# Altium PCB Quad FC 10.7-final.PcbDoc (continued)
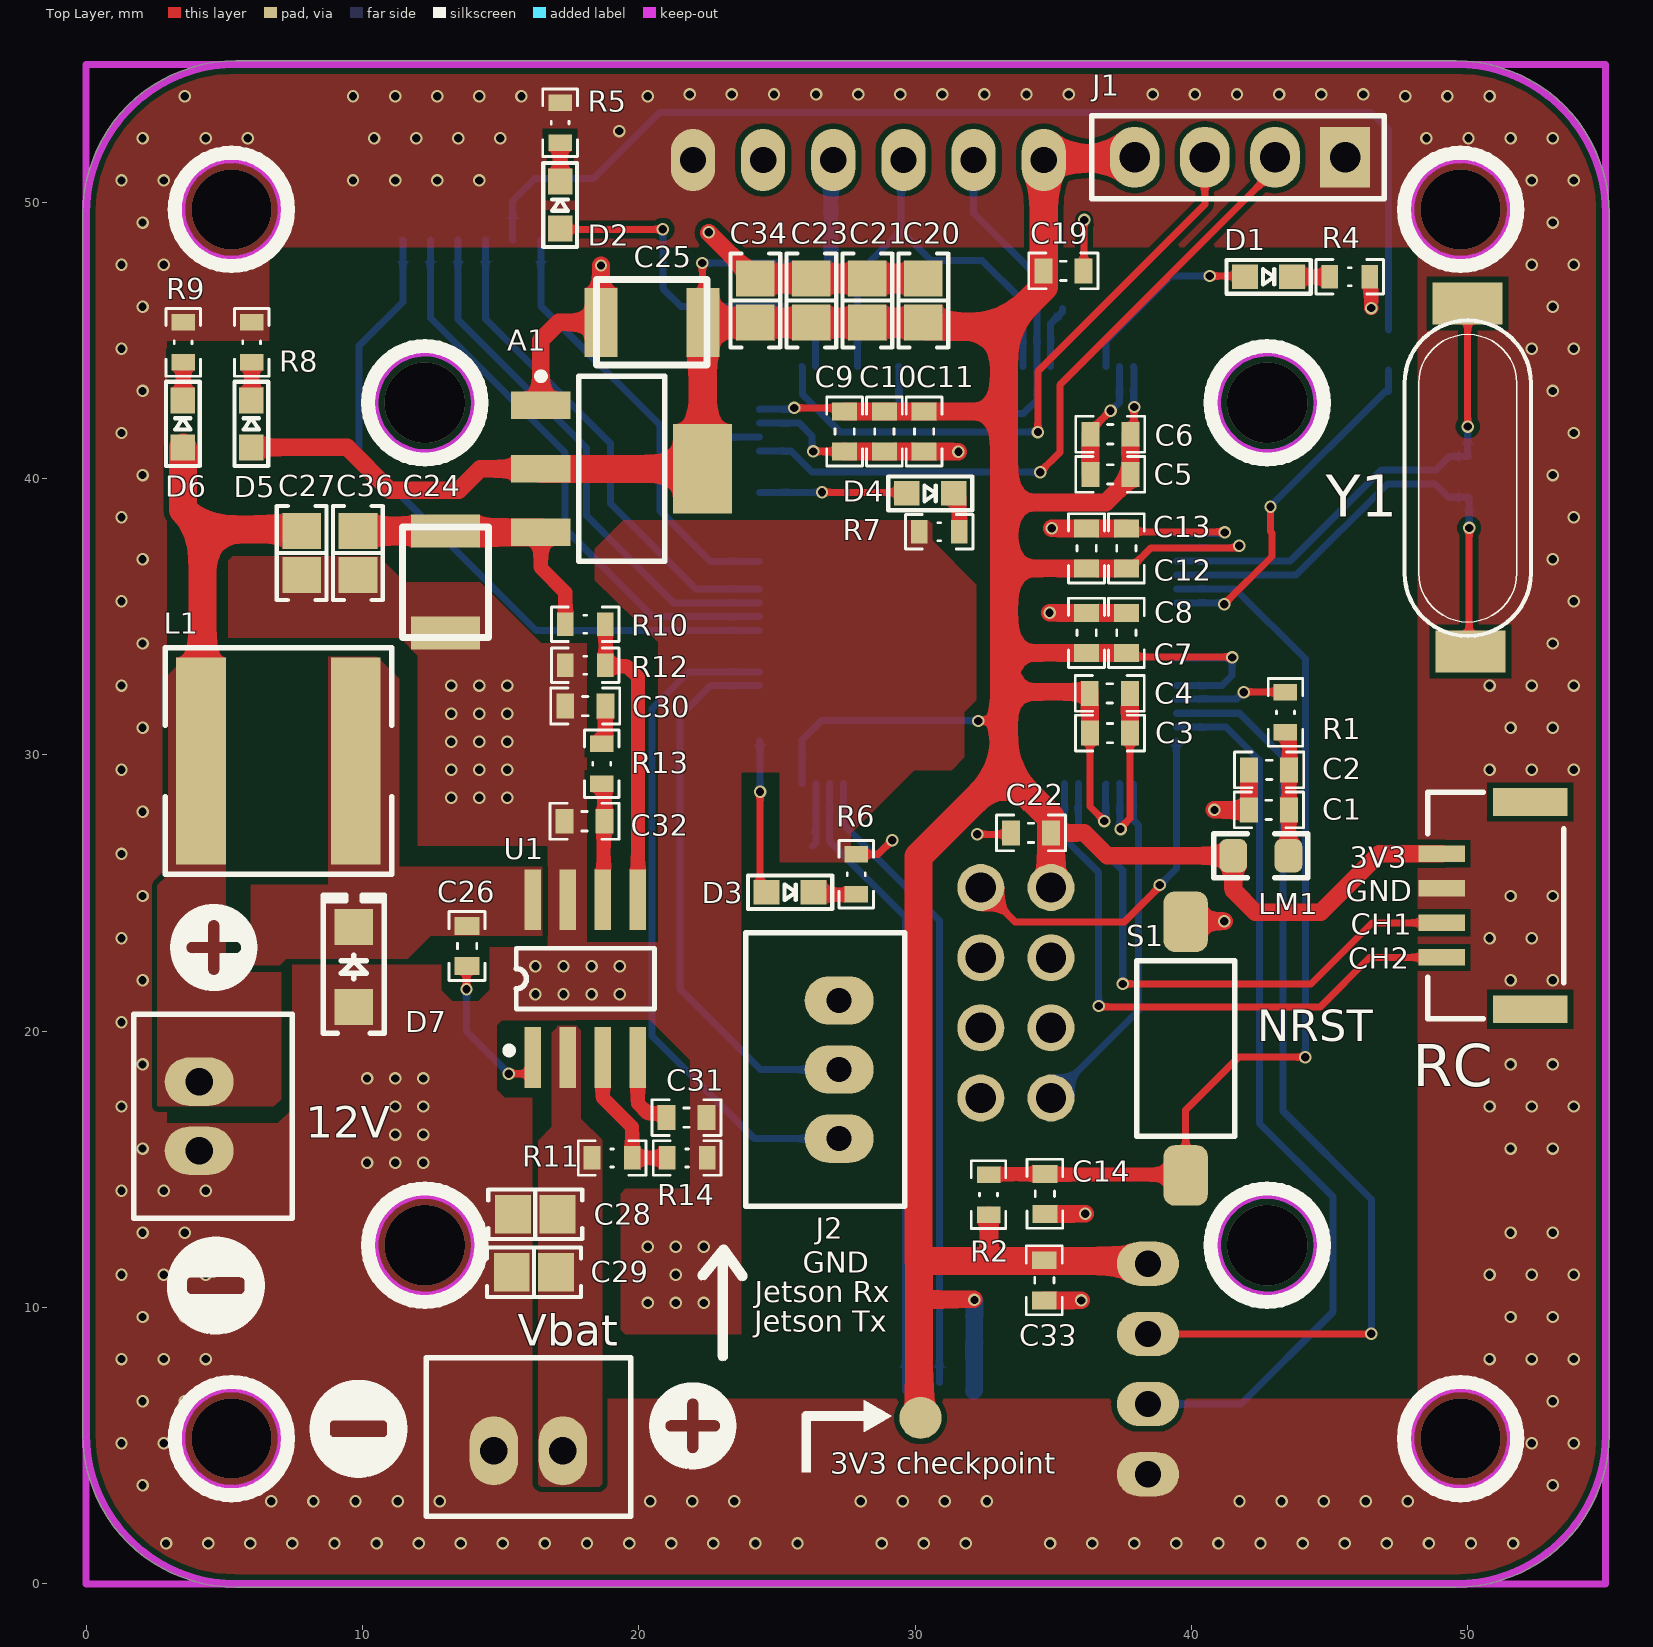
[diagram p0: Top Layer view]
## Footprints (in the part's own frame and the unit in brackets; to place one, negate y for a bottom-side part, rotate by r counter-clockwise, add the part's x,y. Pads: shape width x height; smd on the part's side, far side on the other; paste and mask are expansions set on the pad) (continued)
  rect 2.15x1 smd: 1(-2.925,2.3) 2(-2.925,0) 3(-2.925,-2.3)
  rect 2.15x3.25 smd: 4(2.925,0)
  silkscreen extent -3.05,-3.35 1.55,3.47, body extent -1.85,-3.35 1.85,3.35, height 1.8
STM-LQFP100_N [mm] "Thin QFP, 100-Leads, Body 14x14mm, Pitch 0.5mm, IPC Medium Density"
  oval 1.8x0.3 smd: 1(-7.55,6) 2(-7.55,5.5) 3(-7.55,5) 4(-7.55,4.5) 5(-7.55,4) 6(-7.55,3.5) 7(-7.55,3) 8(-7.55,2.5) 9(-7.55,2) 10(-7.55,1.5) 11(-7.55,1) 12(-7.55,0.5) 13(-7.55,0) 14(-7.55,-0.5) 15(-7.55,-1) 16(-7.55,-1.5) 17(-7.55,-2) 18(-7.55,-2.5) 19(-7.55,-3) 20(-7.55,-3.5) 21(-7.55,-4) 22(-7.55,-4.5) 23(-7.55,-5) 24(-7.55,-5.5) 25(-7.55,-6) 51(7.55,-6) 52(7.55,-5.5) 53(7.55,-5) 54(7.55,-4.5) 55(7.55,-4) 56(7.55,-3.5) 57(7.55,-3) 58(7.55,-2.5) 59(7.55,-2) 60(7.55,-1.5) 61(7.55,-1) 62(7.55,-0.5) 63(7.55,0) 64(7.55,0.5) 65(7.55,1) 66(7.55,1.5) 67(7.55,2) 68(7.55,2.5) 69(7.55,3) 70(7.55,3.5) 71(7.55,4) 72(7.55,4.5) 73(7.55,5) 74(7.55,5.5) 75(7.55,6)
  oval 0.3x1.8 smd: 26(-6,-7.55) 27(-5.5,-7.55) 28(-5,-7.55) 29(-4.5,-7.55) 30(-4,-7.55) 31(-3.5,-7.55) 32(-3,-7.55) 33(-2.5,-7.55) 34(-2,-7.55) 35(-1.5,-7.55) 36(-1,-7.55) 37(-0.5,-7.55) 38(0,-7.55) 39(0.5,-7.55) 40(1,-7.55) 41(1.5,-7.55) 42(2,-7.55) 43(2.5,-7.55) 44(3,-7.55) 45(3.5,-7.55) 46(4,-7.55) 47(4.5,-7.55) 48(5,-7.55) 49(5.5,-7.55) 50(6,-7.55) 76(6,7.55) 77(5.5,7.55) 78(5,7.55) 79(4.5,7.55) 80(4,7.55) 81(3.5,7.55) 82(3,7.55) 83(2.5,7.55) 84(2,7.55) 85(1.5,7.55) 86(1,7.55) 87(0.5,7.55) 88(0,7.55) 89(-0.5,7.55) 90(-1,7.55) 91(-1.5,7.55) 92(-2,7.55) 93(-2.5,7.55) 94(-3,7.55) 95(-3.5,7.55) 96(-4,7.55) 97(-4.5,7.55) 98(-5,7.55) 99(-5.5,7.55) 100(-6,7.55)
  silkscreen extent -7.68,-6.25 6.25,6.82, body extent -7,-7 7,7, height 1.6
"TAIYO YUDEN NRS8030" [mm] "Precision Wire Wound Inductor, 2-Leads, Body 8.00x8.00mm, IPC Medium Density"
  rect 1.8x7.5 smd: 1(-2.8,0) 2(2.8,0)
  silkscreen extent -4.1,-4.1 4.1,4.1, body extent -4,-4 4,4, height 3
"TE FSMSMTR" [mm]
  rrect50% 1.6x2.19 smd: 1(0,4.595) 2(0,-4.595)
  silkscreen extent -1.78,-3.18 1.78,3.18, body extent -1.75,-4.98 1.75,4.98, height 4.42

## Part data
12V Vbat: library part B2B-XH-A(LF)(SN), "CONN HEADER VERT 2POS 2.5MM", Current Rating (Amps)=3A, Insulation Color=Natural, Manufacturer="JST Sales America Inc.", Material Flammability Rating="UL94 V-0", Operating Temperature="-25°C ~ 85°C", Supplier Part Number 1=455-2247-ND, Voltage Rating=250V, ComponentLink1Description=Datasheet, ComponentLink1URL=http://www.jst-mfg.com/product/pdf/eng/eXH.pdf, ComponentLink2Description="DigiKey Link", ComponentLink2URL=http://digikey.com/product-detail/en/jst-sales-america-inc/B2B-XH-A-LF-SN/455-2247-ND/1651045, Connector Type=Header, Contact Finish - Mating=Tin, Contact Finish - Post=Tin, Contact Length - Post="0.134\" (3.40mm)", Contact Material=Brass, Contact Shape=Square, Contact Type="Male Pin", Fastening Type="Detent Lock", Insulation Height="0.276\" (7.00mm)", Insulation Material="Polyamide (PA66), Nylon 6/6", LastUpdated="1/12/2020 11:46:08 PM", Lifecycle Status=Active, Minimum Order=1, Mounting Type="Through Hole", Number of Positions=2, Number of Positions Loaded=All, Number of Rows=1, Packaging=Bulk, Part Number=B2B-XH-A(LF)(SN), Part Status=Active, partid=67, Pitch - Mating="0.098\" (2.50mm)", Price=0.15, Series=XH, Shrouding="Shrouded - 4 Wall", Style="Board to Cable/Wire", Supplier 1=DigiKey, Termination="Press-Fit, Solder"
A1: library part ams1117
C1 C2 C3 C4 C5 C6 C7 C8 C9 C10 C11 C12 C13 C14 C15 C16 C17 C18 C19 C22 C26 C30 C31 C32 C33 C35: library part "CAP SMD PACKAGE", "F407VET6 Power CAP", Data=2017-3-10, Desc.="CAP SMD TOTAL PACKAGES", Designer="Abbas Basereh"
C20: library part MM05ZC105KCZ2A, "CAP CER 1UF 10V X7R 0805", Device Package="0805 (2012 Metric)", Manufacturer="AVX Corporation", Operating Temperature="-55°C ~ 125°C", Supplier Part Number 1=478-10611-1-ND, Temperature Coefficient=X7R, Tolerance=±10%, Voltage - Rated=10V, Applications="Medical, Non-Critical", Capacitance=1µF, ComponentLink1Description=Datasheet, ComponentLink1URL=http://datasheets.avx.com/AVX-MM.pdf, ComponentLink2Description="DigiKey Link", ComponentLink2URL=http://digikey.com/product-detail/en/avx-corporation/MM05ZC105KCZ2A/478-10611-1-ND/7344872, LastUpdated="9/2/2020 1:04:42 AM", Lifecycle Status=Active, Minimum Order=1, Mounting Type="Surface Mount, MLCC", Package / Case="0805 (2012 Metric)", Packaging=TapeAndReel, Part Number=MM05ZC105KCZ2A, Part Status=Active, partid=2439, Price=0.50, Series=MM, Size / Dimension="0.079\" L x 0.049\" W (2.01mm x 1.25mm)", Supplier 1=DigiKey, Thickness (Max)="0.029\" (0.74mm)"
C21 C23 C34: library part CC0805MRX7R9BB104, "CAP CER 0.1UF 50V X7R 0805", Device Package="0805 (2012 Metric)", Manufacturer=Yageo, Operating Temperature="-55°C ~ 125°C", Supplier Part Number 1=311-4351-1-ND, Temperature Coefficient=X7R, Tolerance=±20%, Voltage - Rated=50V, Applications="General Purpose", Capacitance="0.1 µF", ComponentLink1Description=Datasheet, ComponentLink1URL=https://www.yageo.com/upload/media/product/productsearch/datasheet/mlcc/UPY-GPHC_X7R_6.3V-to-50V_18.pdf, ComponentLink2Description="DigiKey Link", ComponentLink2URL=https://www.digikey.com/en/products/detail/yageo/CC0805MRX7R9BB104/5884281, LastUpdated="2/9/2024 8:16:09 PM", Lifecycle Status=Active, Minimum Order=1, Mounting Type="Surface Mount, MLCC", Package / Case="0805 (2012 Metric)", Packaging=TapeAndReel, Part Number=CC0805MRX7R9BB104, Part Status=Active, partid=2475, Price=0.01, Series=CC, Size / Dimension="0.079\" L x 0.049\" W (2.00mm x 1.25mm)", Supplier 1=DigiKey, Thickness (Max)="0.037\" (0.95mm)"
C24 C25: library part CAP_TANTAL_B, "3.5X2.8MM"
C27 C36: library part GRM21BR61H106KE43K, "CAP CER 10UF 50V X5R 0805", Capacitance="10 µF", Device Package="0805 (2012 Metric)", Manufacturer="Murata Electronics", Operating Temperature="-55°C ~ 85°C", Supplier Part Number 1=490-GRM21BR61H106KE43KCT-ND, Temperature Coefficient=X5R, Tolerance=±10%, Voltage - Rated=50V, Applications="General Purpose", ComponentLink1Description=Datasheet, ComponentLink1URL=https://search.murata.co.jp/Ceramy/image/img/A01X/G101/ENG/GRM21BR61H106KE43-01A.pdf, ComponentLink2Description="DigiKey Link", ComponentLink2URL=https://www.digikey.com/en/products/detail/murata-electronics/GRM21BR61H106KE43K/15191954, LastUpdated="2/9/2024 8:15:01 PM", Lifecycle Status=Active, Minimum Order=1, Mounting Type="Surface Mount, MLCC", Package / Case="0805 (2012 Metric)", Packaging=TapeAndReel, Part Number=GRM21BR61H106KE43K, Part Status=Active, partid=40508, Price=0.05, Series=GRM, Size / Dimension="0.079\" L x 0.049\" W (2.00mm x 1.25mm)", Supplier 1=DigiKey, Thickness (Max)="0.057\" (1.45mm)"
C28 C29: library part GRM21BR61H106KE43K, "CAP CER 10UF 50V X5R 0805", Device Package="0805 (2012 Metric)", Manufacturer="Murata Electronics", Operating Temperature="-55°C ~ 85°C", Supplier Part Number 1=490-GRM21BR61H106KE43KCT-ND, Temperature Coefficient=X5R, Tolerance=±10%, Voltage - Rated=50V, Applications="General Purpose", Capacitance="10 µF", ComponentLink1Description=Datasheet, ComponentLink1URL=https://search.murata.co.jp/Ceramy/image/img/A01X/G101/ENG/GRM21BR61H106KE43-01A.pdf, ComponentLink2Description="DigiKey Link", ComponentLink2URL=https://www.digikey.com/en/products/detail/murata-electronics/GRM21BR61H106KE43K/15191954, LastUpdated="2/9/2024 8:15:01 PM", Lifecycle Status=Active, Minimum Order=1, Mounting Type="Surface Mount, MLCC", Package / Case="0805 (2012 Metric)", Packaging=TapeAndReel, Part Number=GRM21BR61H106KE43K, Part Status=Active, partid=40508, Price=0.05, Series=GRM, Size / Dimension="0.079\" L x 0.049\" W (2.00mm x 1.25mm)", Supplier 1=DigiKey, Thickness (Max)="0.057\" (1.45mm)"
CMPS12: library part SSW-106-03-T-S, "CONN RCPT 6POS 0.1 TIN PCB", Current Rating (Amps)="5.7A per Contact", Insulation Color=Black, Manufacturer="Samtec Inc.", Material Flammability Rating="UL94 V-0", Operating Temperature="-55°C ~ 105°C", Supplier Part Number 1=SAM8865-ND, ComponentLink1Description=Datasheet, ComponentLink1URL=http://suddendocs.samtec.com/prints/ssw-s.pdf, ComponentLink2Description="DigiKey Link", ComponentLink2URL=https://www.digikey.com/en/products/detail/samtec-inc/SSW-106-03-T-S/1790202, Connector Type=Receptacle, Contact Finish - Mating=Tin, Contact Finish - Post=Tin, Contact Length - Post="0.394\" (10.00mm)", Contact Type=Forked, Fastening Type=Push-Pull, Insulation Height="0.335\" (8.51mm)", LastUpdated="6/21/2022 3:09:22 PM", Lifecycle Status=Active, Minimum Order=1, Mounting Type="Through Hole", Number of Positions=6, Number of Positions Loaded=All, Number of Rows=1, Packaging=Bulk, Part Number=SSW-106-03-T-S, Part Status=Active, Pitch - Mating="0.100\" (2.54mm)", Price=0.55, Series=SSW, Style="Board to Board or Cable", Supplier 1=DigiKey, Termination=Solder
D1 D2 D3 D4 D5 D6: "Led", LatestRevisionDate=08-Jul-2005, LatestRevisionNote="Mech Layer 1 removed.", PackageReference=LED-0, Published=8-Jun-2000, Publisher="Altium Limited"
D7: "DIODE SCHOTTKY 40V 3A SUB SMA", Current - Average Rectified (Io)=3A, Current - Reverse Leakage @ Vr="500 µA @ 40 V", Manufacturer="Taiwan Semiconductor Corporation", Operating Temperature - Junction="-55°C ~ 150°C", Package / Case=DO-219AB, Supplier Device Package="Sub SMA", Supplier Part Number 1=SS34LRVGCT-ND, Voltage - DC Reverse (Vr) (Max)="40 V", Voltage - Forward (Vf) (Max) @ If="500 mV @ 3 A", ComponentLink1Description=Datasheet, ComponentLink1URL=https://www.taiwansemi.com/products/datasheet/SS34L%20SERIES_B14.pdf, ComponentLink2Description="DigiKey Link", ComponentLink2URL=https://www.digikey.com/en/products/detail/taiwan-semiconductor-corporation/SS34L-RVG/7359609, Diode Type=Schottky, LastUpdated="2/8/2024 9:37:23 PM", Lifecycle Status=Active, Minimum Order=1, Mounting Type="Surface Mount", Packaging=TapeAndReel, Part Number="SS34L RVG", Part Status=Active, partid=1293, Price=0.13, Series=-, Speed="Fast Recovery =< 500ns, > 200mA (Io)", Supplier 1=DigiKey
ESC: library part SM08B-SRSS-TB(LF)(SN), "CONN HEADER SMD R/A 8POS 1MM", Current Rating (Amps)=0.7A, Insulation Color=Natural, Manufacturer="JST Sales America Inc.", Material Flammability Rating="UL94 V-0", Operating Temperature="-25°C ~ 85°C", Supplier Part Number 1=455-1808-1-ND, Voltage Rating=50V, ComponentLink1Description=Datasheet, ComponentLink1URL=http://www.jst-mfg.com/product/pdf/eng/eSH.pdf, ComponentLink2Description="DigiKey Link", ComponentLink2URL=http://digikey.com/product-detail/en/jst-sales-america-inc/SM08B-SRSS-TB-LF-SN/455-1808-1-ND/926879, Connector Type=Header, Contact Finish - Mating=Tin, Contact Finish - Post=Tin, Contact Material="Copper Alloy", Contact Shape=Square, Contact Type="Male Pin", Fastening Type=Push-Pull, Features="Solder Retention", Insulation Height="0.114\" (2.90mm)", Insulation Material="Polyamide (PA), Nylon", LastUpdated="1/12/2020 11:42:39 PM", Lifecycle Status=Active, Minimum Order=1, Mounting Type="Surface Mount, Right Angle", Number of Positions=8, Number of Positions Loaded=All, Number of Rows=1, Packaging=TapeAndReel, Part Number=SM08B-SRSS-TB(LF)(SN), Part Status=Active, partid=66, Pitch - Mating="0.039\" (1.00mm)", Price=0.41, Series=SR, Shrouding="Shrouded - 4 Wall", Style="Board to Cable/Wire", Supplier 1=DigiKey, Termination=Solder
ESP82: library part M20-7830442, "CONN RCPT 8POS 0.1 GOLD PCB", Current Rating (Amps)=3A, Insulation Color=Black, Manufacturer="Harwin Inc.", Material Flammability Rating="UL94 V-0", Operating Temperature="-40°C ~ 105°C", Supplier Part Number 1=952-1789-ND, ComponentLink1Description=Datasheet, ComponentLink1URL=https://cdn.harwin.com/pdfs/C001XX_M20_Series_Connectors.pdf, ComponentLink2Description="DigiKey Link", ComponentLink2URL=http://digikey.com/product-detail/en/harwin-inc/M20-7830442/952-1789-ND/3727758, Connector Type=Receptacle, Contact Finish - Mating=Gold, Contact Finish - Post=Tin, Contact Finish Thickness - Mating=Flash, Contact Length - Post="0.118\" (3.00mm)", Contact Type="Female Socket", Fastening Type=Push-Pull, Insulation Height="0.335\" (8.51mm)", LastUpdated="9/21/2022 7:04:26 PM", Lifecycle Status=Active, Mated Stacking Heights="11.04mm, 12.63mm", Minimum Order=1, Mounting Type="Through Hole", Number of Positions=8, Number of Positions Loaded=All, Number of Rows=2, Packaging=Tube, Part Number=M20-7830442, Part Status=Active, Pitch - Mating="0.100\" (2.54mm)", Price=1.36, Row Spacing - Mating="0.100\" (2.54mm)", Series=M20, Style="Board to Board or Cable", Supplier 1=DigiKey, Termination=Solder
F4: "ARM Cortex-M4 32-bit MCU+FPU, 210 DMIPS, 1024 kB Flash, 192 kB Internal RAM, 82 I/Os, 100-pin LQFP, -40 to 85 degC, Tray", I/Os (High Current)=82, Manufacturer=STMicroelectronics, Operating Frequency(F) (Processor speed) (MHz)=168, Supplier Part Number 1=497-11605-ND, Supply Voltage(Vcc) max (V)=3.6, Supply Voltage(Vcc) min (V)=1.8, ComponentLink1Description="Manufacturer URL", ComponentLink1URL=http://www.st.com/web/en/home.html, ComponentLink2Description=Datasheet, ComponentLink2URL=http://www.st.com/st-web-ui/static/active/en/resource/technical/document/datasheet/DM00037051.pdf, ComponentLink3Description="Package Specification", ComponentLink3URL=http://www.st.com/st-web-ui/static/active/en/resource/technical/document/data_brief/DM00071938.pdf, Core="ARM Cortex-M4", D/A Converter=2x12-bit, DatasheetVersion="Rev. 4", FLASH Size (Prog) (kB)=1024, Internal RAM Size (kB)=192, Mounting Technology="Surface Mount", PackageDescription="100-Pin Low Profile Quad Flat Package, 14 x 14 mm Body, 0.5 mm Pitch", PackageReference=LQFP100, PackageVersion="Rev. 1, 06/2013", Packing=Tray, PartNumber=STM32F407VGT6, Supplier 1=Digi-Key, Supplier 2=Farnell, Supplier 3=Newark, Supplier 4=Mouser, Supplier Part Number 2=2064368, Supplier Part Number 3=73T2333, Supplier Part Number 4=511-STM32F407VGT6
GY25: library part SSW-104-03-T-S, "CONN RCPT 4POS 0.1 TIN PCB", Current Rating (Amps)="5.7A per Contact", Insulation Color=Black, Manufacturer="Samtec Inc.", Material Flammability Rating="UL94 V-0", Operating Temperature="-55°C ~ 105°C", Supplier Part Number 1=SSW-104-03-T-S-ND, ComponentLink2Description="DigiKey Link", ComponentLink2URL=http://digikey.com/product-detail/en/samtec-inc/SSW-104-03-T-S/SSW-104-03-T-S-ND/7874034, Connector Type=Receptacle, Contact Finish - Mating=Tin, Contact Finish - Post=Tin, Contact Type=Forked, Fastening Type=Push-Pull, LastUpdated="6/21/2022 3:08:52 PM", Lifecycle Status=Active, Minimum Order=1, Mounting Type="Through Hole", Number of Positions=4, Number of Positions Loaded=All, Number of Rows=1, Packaging=Bulk, Part Number=SSW-104-03-T-S, Part Status=Active, Price=0.83, Series=SSW, Style="Board to Board or Cable", Supplier 1=DigiKey, Termination=Solder
J1: library part Header4X1
J2: library part B3B-XH-A(LF)(SN), "CONN HEADER VERT 3POS 2.5MM", Current Rating (Amps)=3A, Insulation Color=Natural, Manufacturer="JST Sales America Inc.", Material Flammability Rating="UL94 V-0", Operating Temperature="-25°C ~ 85°C", Supplier Part Number 1=455-2248-ND, Voltage Rating=250V, ComponentLink1Description=Datasheet, ComponentLink1URL=http://www.jst-mfg.com/product/pdf/eng/eXH.pdf, ComponentLink2Description="DigiKey Link", ComponentLink2URL=http://digikey.com/product-detail/en/jst-sales-america-inc/B3B-XH-A-LF-SN/455-2248-ND/1651046, Connector Type=Header, Contact Finish - Mating=Tin, Contact Finish - Post=Tin, Contact Length - Post="0.134\" (3.40mm)", Contact Material=Brass, Contact Shape=Square, Contact Type="Male Pin", Fastening Type="Detent Lock", Insulation Height="0.276\" (7.00mm)", Insulation Material="Polyamide (PA66), Nylon 6/6", LastUpdated="1/12/2020 11:46:22 PM", Lifecycle Status=Active, Minimum Order=1, Mounting Type="Through Hole", Number of Positions=3, Number of Positions Loaded=All, Number of Rows=1, Packaging=Bulk, Part Number=B3B-XH-A(LF)(SN), Part Status=Active, partid=68, Pitch - Mating="0.098\" (2.50mm)", Price=0.19, Series=XH, Shrouding="Shrouded - 4 Wall", Style="Board to Cable/Wire", Supplier 1=DigiKey, Termination="Press-Fit, Solder"
L1: library part NRS8030T100MJGJV, "FIXED IND 10UH 3A 42.9 MOHM SMD", Current - Saturation=2.4A, Current Rating (Amps)="3 A", DC Resistance (DCR)="42.9mOhm Max", Device Package=Nonstandard, Frequency - Self Resonant=27MHz, Inductance="10 µH", Inductance Frequency - Test="100 kHz", Manufacturer="Taiyo Yuden", Operating Temperature="-40°C ~ 125°C", Ratings=AEC-Q200, Supplier Part Number 1=587-3647-1-ND, Tolerance=±20%, ComponentLink1Description=Datasheet, ComponentLink1URL="https://ds.yuden.co.jp/TYCOMPAS/ut/detail?pn=NRS8030T100MJGJV  &u=M", ComponentLink2Description="DigiKey Link", ComponentLink2URL=https://www.digikey.com/en/products/detail/taiyo-yuden/NRS8030T100MJGJV/4693986, Height - Seated (Max)="0.118\" (3.00mm)", LastUpdated="2/8/2024 9:55:48 PM", Lifecycle Status=Active, Material - Core=Ferrite, Minimum Order=1, Mounting Type="Surface Mount", Package / Case=Nonstandard, Packaging=TapeAndReel, Part Number=NRS8030T100MJGJV, Part Status=Active, partid=5482, Price=0.23, Series="NR, S Type", Shielding=Shielded, Size / Dimension="0.315\" L x 0.315\" W (8.00mm x 8.00mm)", Supplier 1=DigiKey, Type="Drum Core, Wirewound"
LM1: library part "L SMA 0.25W", "Inductor", Code_IEC=1005, Code_JEITA=0402, LatestRevisionDate=29-May-2009, LatestRevisionNote="IPC-7351 Footprint Added.", PackageDescription="Chip Inductor", PackageReference=0402-A, Published=8-Jun-2000, Publisher="Altium Limited"
R1 R2 R3 R4 R5 R6 R7 R8 R9 R10 R11 R12 R13 R14 R15 R16 R17 R18: library part "RES SMD PACKAGE", "TOTAL SMD RESISTOR PACK", Data=2017-3-10, Desc.="RES SMD PAKAGES", Designer="Abbas Basereh"
RC VL53: library part SM04B-GHS-TB(LF)(SN)-, "CONN HEADER SMD R/A 4POS 1.25MM", Current Rating (Amps)=1A, Insulation Color=Natural, Manufacturer="JST Sales America Inc.", Material Flammability Rating="UL94 V-0", Operating Temperature="-25°C ~ 85°C", Supplier Part Number 1=455-1566-1-ND, Voltage Rating=50V, ComponentLink1Description=Datasheet, ComponentLink1URL=http://www.jst-mfg.com/product/pdf/eng/eGH.pdf, ComponentLink2Description="DigiKey Link", ComponentLink2URL=http://digikey.com/product-detail/en/jst-sales-america-inc/SM04B-GHS-TB-LF-SN/455-1566-1-ND/807834, Connector Type=Header, Contact Finish - Mating=Tin, Contact Finish - Post=Tin, Contact Material="Phosphor Bronze", Contact Shape=Rectangular, Contact Type="Outer Shroud Contact", Fastening Type="Locking Ramp", Features="Solder Retention", Insulation Height="0.167\" (4.25mm)", Insulation Material="Polyamide (PA9T), Nylon 9T", LastUpdated="1/12/2020 11:37:43 PM", Lifecycle Status=Active, Minimum Order=1, Mounting Type="Surface Mount, Right Angle", Number of Positions=4, Number of Positions Loaded=All, Number of Rows=1, Packaging=TapeAndReel, Part Number=SM04B-GHS-TB(LF)(SN)-, Part Status=Active, partid=55, Pitch - Mating="0.049\" (1.25mm)", Price=0.21, Series=GH, Shrouding="Shrouded - 4 Wall", Style="Board to Cable/Wire", Supplier 1=DigiKey, Termination=Solder
S1: "SWITCH TACTILE SPST-NO 0.05A 24V", Contact Rating @ Voltage="0.05A @ 24VDC", Manufacturer="TE Connectivity ALCOSWITCH Switches", Operating Force=180gf, Operating Temperature="-35°C ~ 85°C", Supplier Part Number 1=450-1758-1-ND, Actuator Height off PCB, Vertical=4.57mm, Actuator Orientation="Top Actuated", Actuator Type=Standard, Circuit=SPST-NO, ComponentLink1Description=Datasheet, ComponentLink1URL=https://www.te.com/commerce/DocumentDelivery/DDEController?Action=srchrtrv&DocNm=1437566-3&DocType=Customer+Drawing&DocLang=English, ComponentLink2Description="DigiKey Link", ComponentLink2URL=https://www.digikey.com/en/products/detail/te-connectivity-alcoswitch-switches/FSMSMTR/529671, Illumination=Non-Illuminated, LastUpdated="2/8/2024 9:49:52 PM", Lifecycle Status=Active, Minimum Order=1, Mounting Type="Surface Mount", Outline="6.00mm x 3.50mm", Packaging=TapeAndReel, Part Number=FSMSMTR, Part Status=Active, Price=0.20, Series=FSMSM, Supplier 1=DigiKey, Switch Function=Off-Mom, Termination Style="Gull Wing"
U1: "DC/DC Switching Regulators 2A,28V,1MHz Step Down SWIFT DC/D;Output Voltage:0.8 V to 25 V", Link=http://javanelec.com/productsDetails.aspx?id=33786
Y1: library part CRYSTAL_SMD, "Crystal"

## Free pads (board coordinates)
  round 1.524 smd: 2(30.2,6)

## Via types
v1: diameter 0.45, hole 0.3, Top Layer to Bottom Layer, 224 vias
v2: diameter 0.45, hole 0.3, Top Layer to Bottom Layer, tented both sides, 43 vias
v3: diameter 2.9, hole 2.9, Top Layer to Bottom Layer, 8 vias

## Nets (pads, with @x,y where several pads share a name; then routed paths per layer and width w, separated by ;. In a path a pad name is that pad's centre, name@x,y a point inside that pad or via, vN(x,y) a via of type N, cw(c..) or ccw(c..) an arc to the next point about the centre after c; other vN are vias at no path point)
3V3: A1.2 A1.4 C3.2 C4.2 C5.2 C6.2 C7.1 C8.1 C9.2 C10.2 C11.2 C12.2 C13.2 C19.1 C20.2 C21.2 C22.1 C23.2 C25.+ C33.1 C34.2 C35.1 CMPS12.6 D5.1 ESP82.1 F4.11 F4.19 F4.21 F4.28 F4.50 F4.75 F4.100 GY25.4 J1.4 LM1.2 pad.2 R2.1 R15.2 RC.1 VL53.4 | length 188.1
  Top Layer w0.254: v2(22.3,47.81) 22.3,45.68 C25.+ ; v2(25.621,42.565) 27.32,42.565 C9.2 ; v2(32.29,31.23) 32.3,31.24 33.225,31.24 ; C3.2 36.33,28.13 v2(36.854,27.606) ; C7.1@37.65,33.575 37.675,33.55 41.46,33.55 v2(41.48,33.53) ; C12.2 37.848,36.953 37.993,36.953 38.54,37.5 41.528,37.5 41.564,37.536 41.702,37.536 v2(41.74,37.573) ; C6.2 37.932,41.747 v2(37.932,42.597) ; RC.1 49.46,26.42 RC.1@49.57,26.31
  Top Layer w0.635: D5.1 9.436,41.134 10.98,39.59 13.48,39.59 14.25,40.36 A1.2 ; C9.2 C10.2 C11.2 33.225,42.435 ; 30.15,10.29 v2@32.13,10.29 ; 32.04,11.68 32.15,11.57 ; 32.67,11.68 R2.1@32.67,13.337 ; 33.225,32.28 36.317,32.28 36.325,32.272 C4.2 ; 33.225,33.695 C8.1 C7.1 ; 33.225,36.755 C13.2 C12.2 ; 33.225,39.14 36.9,39.14 37.787,40.027 37.787,40.153 C5.2 C6.2 ; C22.1@34.917,27.186 C22.1@34.923,27.18 ; C22.1 36.13,27.18 36.96,26.35 LM1.2 41.52,25.11 42.32,24.31 44.69,24.31 46.8,26.42 RC.1 ; C3.2@36.327,30.793 C4.2@36.327,32.228
  Top Layer w1.016: A1.2 A1.4 22.313,40.368 22.313,45.652 C25.+ 22.325,45.655 24.215,45.655 C34.2 C23.2 C21.2 C20.2 30.442,45.508 33.225,45.508 ; pad.2@30.15,6.05 30.15,10.29 30.15,11.68 ; CMPS12.6 34.66,46.943 33.225,45.508 ; C33.1@34.68,11.68 38.33,11.68 GY25.4 ; C33.1 34.655,11.68 32.67,11.68 32.04,11.68 30.15,11.68 ; CMPS12.6@34.72,51.6 J1.4@37.91,51.6 ; C22.1@34.917,27.186 34.917,27.732 33.225,29.425 ; ESP82.1 C22.1@34.923,27.18 ; 30.15,11.68 30.12,11.68 30.12,26.32 33.225,29.425 ; 33.225,29.425 33.225,31.24 33.225,32.28 33.225,33.695 33.225,36.755 33.225,39.14 33.225,42.435 33.225,45.508
  Bottom Layer w0.254: v2(22.3,47.81) 25.445,47.81 R15.2 ; F4.75 24.369,42.519 25.522,42.519 25.568,42.565 v2(25.621,42.565) ; F4.50 25.91,30.54 26.61,31.24 32.28,31.24 v2(32.29,31.23) ; v2(36.854,27.606) 36.854,27.659 36.901,27.707 36.901,28.931 F4.28@36.919,28.949 ; F4.100 37.919,44.051 37.919,42.61 v2(37.932,42.597) ; F4.21 41.11,32.51 41.48,32.88 v2(41.48,33.53) 41.469,33.519 39.469,33.519 F4.19 ; F4.11@39.47,37.5 39.471,37.501 40.251,37.501 40.253,37.5 41.614,37.5 41.687,37.573 v2(41.74,37.573)
  Bottom Layer w0.635: VL53.4 32.137,6.998 32.137,9.192 C35.1 32.15,9.205 v2(32.15,10.27)
12V: 12V.2 A1.3 C24.+ C27.2 C36.2 D6.1 L1.2 R10.2 | length 25.5
  Top Layer w0.508: A1.3 16.455,36.765 17.335,35.885 R10.2
  Top Layer w1.016: D6.1@3.5,41.124 3.5,38.87 4.2,38.17 ; L1.2@4.2,29.83 4.2,38.17 ; C27.2 7.73,38.17 4.2,38.17 ; C36.2@9.83,38.105 C24.+ ; C24.+@13.045,38.06 A1.3
CMPS12_RX_SCL: CMPS12.4 F4.80 F4.92 | length 16.7
  Bottom Layer w0.254: F4.80 27.91,47.41 29.49,48.99 ; CMPS12.4@29.58,50.851 CMPS12.4 29.49,51.45 29.49,48.99 ; F4.92 33.901,44.069 33.901,46.429 32.43,47.9 30.58,47.9 29.49,48.99
CMPS12_TX_SDA: CMPS12.5 F4.83 F4.93 | length 16.2
  Bottom Layer w0.254: F4.83 29.419,44.051 29.419,42.841 29.89,42.37 33.93,42.37 34.41,42.85 F4.93 34.41,47.33 32.12,49.62 CMPS12.5
"Current control": F4.15 R17.1 R18.2 | length 12.8
  Top Layer w0.254: v2(41.19,35.455) 42.92,37.185 42.92,38.036 42.87,38.086 v2(42.87,38.99)
  Bottom Layer w0.254: F4.15 41.082,35.51 41.137,35.455 v2(41.19,35.455) ; v2(42.87,38.99) 42.87,39.01 47.025,43.165 R18.2 R17.1
"ESC ADC In": ESC.2 R17.2 | length 42
  Bottom Layer w0.254: ESC.2 15.43,48.668 15.43,50.06 16.24,50.87 18.36,50.87 20.75,53.26 46.51,53.26 47.15,52.62 R17.2
"ESC Rx": F4.63
"ESC Tx": ESC.1 F4.64 | length 15.9
  Bottom Layer w0.254: ESC.1 16.45,46.26 20.77,41.94 20.77,38.84 22.6,37.01 F4.64
"ESP82 Rx": ESP82.8 F4.25 | length 13
  Top Layer w0.254: ESP82.8 33.623,23.96 37.58,23.96 38.865,25.245 v2(38.865,25.292)
  Bottom Layer w0.254: v2(38.865,25.292) 39.46,25.887 F4.25
"ESP82 Tx": ESP82.4 F4.26 | length 12.8
  Bottom Layer w0.254: ESP82.4 38.09,20.747 38.09,27.465 37.9,27.655 F4.26@37.9,28.95
"F407 NRST": C14.1 F4.14 R2.2 S1.1 | length 34.8
  Top Layer w0.254: S1.1 39.8,17.14 41.72,19.06 v2(44.13,19.06)
  Top Layer w0.508: R2.2 32.675,14.82 34.685,14.82 C14.1 34.73,14.805 39.77,14.805 S1.1
  Bottom Layer w0.254: F4.14 41.59,36.01 44.13,33.47 v2(44.13,19.06)
"F407 SWCLK": F4.76 J1.3 | length 22.3
  Top Layer w0.254: v2(34.45,41.69) 34.45,43.89 40.49,49.93 40.49,50.726 J1.3@40.936,51.172
  Bottom Layer w0.254: F4.76 25.919,44.051 25.919,43.053 27.272,41.7 v2@34.44,41.7
"F407 SWDIO": F4.72 J1.2 | length 25.4
  Top Layer w0.254: v2(34.53,40.24) 35.24,40.95 35.24,43.4 43.03,51.19 J1.2
  Bottom Layer w0.254: F4.72 24.369,41.001 25.514,41.001 26.275,40.24 v2(34.53,40.24)
F407_OSC_N: C16.1 F4.13 Y1.1 | length 17.8
  Top Layer w0.254: v2(50.06,38.22) 50.06,33.794 Y1.1
  Bottom Layer w0.254: F4.13 43.794,36.51 47.1,39.816 48.824,39.816 49.31,39.33 C16.1 50.06,39.315 v2(50.06,38.22)
F407_OSC_P: C15.2 F4.12 Y1.2 | length 17.7
  Top Layer w0.254: Y1.2 50.01,46.34 v2(50.01,41.89)
  Bottom Layer w0.254: F4.12@39.468,37.018 43.584,37.018 46.89,40.324 48.854,40.324 49.34,40.81 C15.2 50.01,40.845 v2(50.01,41.89)
GND: 12V.1 A1.1 C1.1 C2.1 C3.1 C4.1 C5.1 C6.1 C7.2 C8.2 C9.1 C10.1 C11.1 C12.1 C13.1 C14.2 C15.1 C16.2 C17.2 C18.2 C19.2 C20.1 C21.1 C22.2 C23.1 C24.- C25.- C27.1 C28.1 C29.1 C30.2 C31.2 C32.2 C33.2 C34.1 C35.2 C36.1 CMPS12.1 D7.1 ESC.8 ESP82.5 F4.10 F4.20 F4.27 F4.74 F4.99 GY25.1 J1.1 J2.1 R3.2 R4.2 R5.2 R6.2 R7.2 R8.2 R9.2 R12.1 R14.1 R16.1 R18.1 RC.2 S1.2 U1.7 Vbat.2 VL53.1 | length 57.8
  Top Layer w0.254: v2(26.31,40.99) 26.313,40.987 C9.1@27.447,40.987 ; R6.2 28.665,26.405 v2(29.17,26.91) ; v2(32.252,27.128) 33.423,27.128 C22.2 ; C19.2 36.112,47.542 36.112,49.352 v2(36.13,49.37) ; C6.1 36.345,41.735 37.07,42.46 v2(37.08,42.46) ; v2(37.442,27.316) 37.442,27.369 37.78,27.708 C3.1@37.78,30.77 ; C12.1 37.775,38.08 41.185,38.08 v2(41.21,38.055) ; S1.2 S1.2@39.815,23.98
  Top Layer w0.508: R4.2 46.511,47.264 46.511,46.189 v2(46.52,46.18)
  Top Layer w0.635: A1.1 16.455,45.015 17.1,45.66 C25.- v2@18.63,47.72 ; v2@22.53,48.91 23.837,47.603 23.837,47.582 24.17,47.25 C34.1@24.19,47.25 ; C9.1@27.447,40.987 C9.1 C10.1 31.565,40.985 v2(31.57,40.98) ; C33.2 36.015,10.255 v2(36.02,10.25) ; C14.2 36.155,13.385 v2(36.16,13.39) ; v2(34.87,35.15) 34.875,35.145 C7.2 ; v2(34.95,38.21) 34.955,38.205 C12.1 ; C5.1 C6.1 ; C3.1@37.777,30.793 C4.1@37.777,32.228 ; S1.2@39.815,23.98 v2(41.19,23.98) ; v2(40.84,28.01) C1.1 42.085,28.135 42.095,28.145 C2.1
  Top Layer w1.016: C34.1 C23.1 C21.1 C20.1
  Bottom Layer w0.254: F4.74 25.817,42.01 26.272,41.554 26.272,41.028 v2(26.31,40.99) ; v2@37.1,42.46 37.401,42.761 37.401,44.051 F4.99 ; F4.27 37.419,28.951 37.419,27.339 v2(37.442,27.316) ; F4.10 39.469,38.019 41.174,38.019 v2(41.21,38.055)
  other v1: 2.884,1.452 4.408,1.452 5.932,1.452 7.456,1.452 8.98,1.452 10.504,1.452 12.028,1.452 13.552,1.452 15.076,1.452 16.6,1.452 18.124,1.452 19.648,1.452 21.172,1.452 22.696,1.452 24.22,1.452 25.744,1.452 28.792,1.452 30.316,1.452 31.84,1.452 34.888,1.452 36.412,1.452 37.936,1.452 39.46,1.452 40.984,1.452 42.508,1.452 44.032,1.452 45.556,1.452 47.08,1.452 48.604,1.452 50.128,1.452 51.652,1.452 6.694,2.976 8.218,2.976 9.742,2.976 11.266,2.976 12.79,2.976 20.41,2.976 21.934,2.976 23.458,2.976 28.03,2.976 29.554,2.976 31.078,2.976 32.602,2.976 41.746,2.976 43.27,2.976 44.794,2.976 46.318,2.976 47.842,2.976 2.032,3.556 53.086,3.556 1.27,5.08 2.794,5.08 52.324,5.08 53.848,5.08 2.032,6.604 3.556,6.604 53.086,6.604 1.27,8.128 2.794,8.128 4.318,8.128 50.8,8.128 52.324,8.128 53.848,8.128 2.032,9.652 3.556,9.652 51.562,9.652 53.086,9.652 20.32,10.16 21.336,10.16 22.352,10.16 1.27,11.176 2.794,11.176 4.318,11.176 21.336,11.176 50.8,11.176 52.324,11.176 53.848,11.176 20.32,12.192 21.336,12.192 22.352,12.192 2.032,12.7 3.556,12.7 51.562,12.7 53.086,12.7 1.27,14.224 2.794,14.224 4.318,14.224 10.16,15.24 11.176,15.24 12.192,15.24 2.032,15.748 51.562,15.748 53.086,15.748 11.176,16.256 12.192,16.256 1.27,17.272 11.176,17.272 12.192,17.272 50.8,17.272 52.324,17.272 53.848,17.272 10.16,18.288 11.176,18.288 12.192,18.288 2.032,18.796 51.562,18.796 53.086,18.796 1.27,20.32 16.256,21.336 17.272,21.336 18.288,21.336 19.304,21.336 2.032,21.844 51.562,21.844 53.086,21.844 16.256,22.352 17.272,22.352 18.288,22.352 19.304,22.352 1.27,23.368 50.8,23.368 52.324,23.368 2.032,24.892 51.562,24.892 53.086,24.892 1.27,26.416 2.032,27.94 13.208,28.448 14.224,28.448 15.24,28.448 1.27,29.464 13.208,29.464 14.224,29.464 15.24,29.464 50.8,29.464 52.324,29.464 53.848,29.464 13.208,30.48 14.224,30.48 15.24,30.48 2.032,30.988 51.562,30.988 53.086,30.988 13.208,31.496 14.224,31.496 15.24,31.496 1.27,32.512 13.208,32.512 14.224,32.512 15.24,32.512 50.8,32.512 52.324,32.512 53.848,32.512 2.032,34.036 53.086,34.036 1.27,35.56 53.848,35.56 2.032,37.084 53.086,37.084 1.27,38.608 53.848,38.608 2.032,40.132 53.086,40.132 1.27,41.656 53.848,41.656 2.032,43.18 53.086,43.18 1.27,44.704 52.324,44.704 53.848,44.704 2.032,46.228 53.086,46.228 1.27,47.752 2.794,47.752 52.324,47.752 53.848,47.752 2.032,49.276 53.086,49.276 1.27,50.8 2.794,50.8 9.652,50.8 11.176,50.8 12.7,50.8 14.224,50.8 52.324,50.8 53.848,50.8 2.032,52.324 4.318,52.324 5.842,52.324 10.414,52.324 11.938,52.324 13.462,52.324 14.986,52.324 48.514,52.324 50.038,52.324 51.562,52.324 53.086,52.324 19.293,52.589 3.556,53.848 9.652,53.848 11.176,53.848 12.7,53.848 14.224,53.848 15.748,53.848 20.32,53.848 47.752,53.848 49.276,53.848 50.8,53.848 21.844,53.915 23.368,53.915 24.892,53.915 26.416,53.915 27.94,53.915 29.464,53.915 30.988,53.915 32.512,53.915 34.036,53.915 35.56,53.915 38.608,53.915 40.132,53.915 41.656,53.915 43.18,53.915 44.704,53.915 46.228,53.915
  other v2: 18.63,47.72 22.53,48.92
  other v3: 5.25,5.25 49.75,5.25 12.25,12.25 42.75,12.25 12.25,42.75 42.75,42.75 5.25,49.75 49.75,49.75
"GY25 Rx": F4.23 GY25.3 | length 34.8
  Top Layer w0.254: GY25.3 v2(46.52,9.04)
  Bottom Layer w0.254: F4.23 41.75,31.51 43.33,29.93 43.33,17.1 46.52,13.91 v2(46.52,9.04)
"GY25 Tx": F4.24 GY25.2 | length 32.7
  Bottom Layer w0.254: GY25.2 41.8,6.5 45.14,9.84 45.14,13.99 42.47,16.66 42.47,29.8 41.26,31.01 F4.24
Jetson_Uart_RX: F4.55 J2.2 | length 20.2
  Bottom Layer w0.254: F4.55 22.6,32.51 21.49,31.4 21.49,21.53 24.41,18.61 J2.2
Jetson_Uart_TX: F4.56 J2.3 | length 24.6
  Bottom Layer w0.254: F4.56 21.8,33.01 20.47,31.68 20.47,19.82 24.18,16.11 J2.3
LED1: D1.1 F4.98 | length 6.9
  Top Layer w0.254: v2(40.67,47.34) 41.919,47.34 D1.1
  Bottom Layer w0.254: F4.98 36.919,44.069 36.919,44.989 39.27,47.34 v2(40.67,47.34)
LED2: D2.1 F4.77 | length 13.2
  Top Layer w0.254: D2.1 17.179,49.03 v2(20.87,49.03)
  Bottom Layer w0.254: v2(20.87,49.03) 20.87,46.88 21.52,46.23 25.23,46.23 26.401,45.059 26.401,44.069 F4.77
LED3: D3.1 F4.51 | length 5.6
  Top Layer w0.254: v2(24.39,28.67) 24.39,25.269 D3.1
  Bottom Layer w0.254: F4.51 24.369,30.51 24.39,30.489 v2(24.39,28.67)
LED4: D4.1 F4.69 | length 5.4
  Top Layer w0.254: v2(26.63,39.51) 29.659,39.51 D4.1
  Bottom Layer w0.254: F4.69 v2(26.63,39.51)
NetC1_2: C1.2 C2.2 LM1.1 R1.1 | length 4.6
  Top Layer w0.508: R1.1 43.514,30.815 43.56,30.769 C2.2@43.56,29.475 ; LM1.1 43.532,26.362 C1.2@43.532,27.998 ; C1.2 C2.2@43.535,29.45
NetC17_1: C17.1 F4.73 | length 3.3
  Bottom Layer w0.254: C17.1 21.982,42.783 21.982,42.088 22.56,41.51 F4.73
NetC18_1: C18.1 F4.49 | length 2.3
  Bottom Layer w0.254: C18.1@26.295,26.71 26.41,26.825 F4.49
NetC26_1: C26.1 D7.2 L1.1 U1.8
NetC26_2: C26.2 U1.1 | length 5.9
  Top Layer w0.254: v2(13.76,21.52) 13.76,22.335 C26.2 ; v2(15.29,18.46) 15.982,18.46 16.155,18.633 U1.1
  Bottom Layer w0.254: v2(13.76,21.52) 13.76,19.99 v2(15.29,18.46)
NetC30_1: C30.1 R13.1 | length 1.5
  Top Layer w0.508: R13.1 18.739,30.405 18.785,30.451 C30.1
NetC31_1: C31.1 U1.4 | length 3
  Top Layer w0.508: U1.4 19.965,17.385 20.322,17.028 20.929,17.028 21,16.957 C31.1
NetC32_1: C32.1 R13.2 U1.6 | length 4.3
  Top Layer w0.508: R13.2 18.714,28.955 18.76,28.909 C32.1 18.728,27.568 18.728,24.786 U1.6
NetCMPS12_3: CMPS12.3 R15.1 R16.2 | length 3.8
  Bottom Layer w0.508: R16.2 26.95,49.115 R15.1@26.95,47.785 ; R16.2@26.95,49.145 26.95,51.45 CMPS12.3
NetD1_2: D1.2 R4.1 | length 1.4
  Top Layer w0.508: D1.2 R4.1
NetD2_2: D2.2 R5.1 | length 1.4
  Top Layer w0.508: D2.2 R5.1
NetD3_2: D3.2 R6.1 | length 1.6
  Top Layer w0.508: D3.2 26.421,24.94 R6.1@27.855,24.94
NetD4_2: D4.2 R7.1 | length 1.5
  Top Layer w0.508: D4.2 31.41,39.47 31.6,39.28 R7.1
NetD5_2: D5.2 R8.1 | length 1.4
  Top Layer w0.508: D5.2@5.99,42.856 R8.1@5.99,44.206
NetD6_2: D6.2 R9.1 | length 1.4
  Top Layer w0.508: D6.2@3.51,42.771 R9.1@3.51,44.15
NetF4_22: F4.22 R1.2 | length 4.1
  Top Layer w0.254: v2(41.9,32.27) 41.91,32.28 43.395,32.28 R1.2
  Bottom Layer w0.254: F4.22 39.469,32.019 40.251,32.019 40.263,32.03 41.653,32.03 41.893,32.27 v2(41.9,32.27)
NetF4_94: F4.94 R3.1 | length 2.3
  Bottom Layer w0.254: F4.94 34.91,45.62 35.137,45.847 35.147,45.847 35.345,46.045 R3.1
NetR10_1: R10.1 R12.2 U1.5 | length 10.9
  Top Layer w0.508: R12.2 18.825,33.21 19.57,33.21 19.965,32.815 U1.5 ; R12.2@18.8,33.265 R10.1@18.8,34.715
NetR11_1: R11.1 R14.2 U1.3 | length 5.4
  Top Layer w0.254: U1.3@18.695,18.745 18.74,18.79 18.695,18.835 U1.3
  Top Layer w0.508: U1.3@18.695,18.745 18.695,17.585 19.755,16.525 R11.1 R14.2
"PWM MOTOR 1": ESC.6 F4.59 | length 25.5
  Bottom Layer w0.254: ESC.6 11.46,48.638 11.46,46.4 9.86,44.8 9.86,40.92 16.27,34.51 F4.59
"PWM MOTOR 2": ESC.5 F4.60 | length 20.8
  Bottom Layer w0.254: ESC.5 12.45,45.82 17.32,40.95 17.32,38.19 20.5,35.01 F4.60
"PWM MOTOR 3": ESC.4 F4.61 | length 19.5
  Bottom Layer w0.254: ESC.4 13.45,45.76 18.1,41.11 18.1,38.67 21.26,35.51 F4.61
"PWM MOTOR 4": ESC.3 F4.62 | length 18.1
  Bottom Layer w0.254: ESC.3 14.45,45.79 18.97,41.27 18.97,39.1 22.06,36.01 F4.62
"RC PWM INPUT 1": F4.30 RC.3 | length 20.4
  Top Layer w0.254: v2(37.52,21.71) 44.33,21.71 46.54,23.92 RC.3
  Bottom Layer w0.254: F4.30 35.91,27.43 37.52,25.82 v2(37.52,21.71)
"RC PWM INPUT 2": F4.31 RC.4 | length 21.7
  Top Layer w0.254: v2(36.65,20.91) 36.68,20.88 44.67,20.88 46.46,22.67 RC.4
  Bottom Layer w0.254: F4.31 35.41,26.98 36.65,25.74 v2(36.65,20.91)
VBAT+: C28.2 C29.2 R11.2 U1.2 Vbat.1
VL53_SCL: F4.47 VL53.3 | length 23.1
  Bottom Layer w0.254: F4.47 27.41,27.476 30.88,24.006 VL53.3@30.88,7.282
VL53_SDA: F4.48 VL53.2 | length 23.1
  Bottom Layer w0.254: F4.48 26.91,26.87 29.65,24.13 VL53.2@29.65,6.977
pads on no net: CMPS12.2 ESC.7 ESC.M ESP82.2 ESP82.3 ESP82.6 ESP82.7 F4.1 F4.2 F4.3 F4.4 F4.5 F4.6 F4.7 F4.8 F4.9 F4.16 F4.17 F4.18 F4.29 F4.32 F4.33 F4.34 F4.35 F4.36 F4.37 F4.38 F4.39 F4.40 F4.41 F4.42 F4.43 F4.44 F4.45 F4.46 F4.52 F4.53 F4.54 F4.57 F4.58 F4.65 F4.66 F4.67 F4.68 F4.70 F4.71 F4.78 F4.79 F4.81 F4.82 F4.84 F4.85 F4.86 F4.87 F4.88 F4.89 F4.90 F4.91 F4.95 F4.96 F4.97 RC.M VL53.M

## Polygon pours and split planes (outlines as drawn)
GND on Top Layer "GND_L01_P010" (solid, pour order 10): 2.9,16.47 2.9,44.99 6.64,44.99 6.62,45.02 6.62,48.38 50.67,48.38 50.67,54.93 3.89,54.93 3.48,54.52 2.9,54.52 2.33,53.95 2.14,53.95 2.14,53.93 0.98,52.77 0.97,52.77 0.97,52.51 -0.02,51.52 -0.02,16.47
12V on Top Layer "12V_L01_P004" (solid, pour order 4): 5.04,33.43 3.48,33.43 2.96,32.91 2.96,25.67 2.57,25.28 2.57,17.28 6.79,17.28 7.045,17.535 7.045,22.13 5.04,22.13
GND on Top Layer "GND_L01_P009" (solid, pour order 9): 48.2,5.929 48.2,49.6 47.2,49.6 47.2,55.03 51.14,55.03 51.78,54.39 52.09,54.39 52.2,54.28 52.44,54.28 53.16,53.56 53.36,53.56 53.36,53.52 54.47,52.41 54.47,51.7 54.96,51.21 54.96,6.003
GND on Top Layer "GND_L01_P008" (solid, pour order 8): 15.15,6.7 15.15,0.29 52.22,0.29 54.98,3.05 54.98,6.7
NetC26_1 on Top Layer "NETC26_1_L01_P002" (solid, pour order 2): 7.24,22.62 7,22.38 5.94,22.38 5.94,25.3 8.75,25.3 8.75,33.56 10.53,33.56 11.33,32.76 11.33,25.96 16.54,25.96 16.51,25.93 16.51,23.46 12.47,23.46 11.63,22.62
GND on Top Layer "GND_L01_P003" (solid, pour order 3): 31.79,31.55 31.79,29.91 31.33,29.45 29.96,29.42 27.68,27.14 27.68,26.12 25.11,26.12 25.11,29.38 23.74,29.38 23.7,29.34 23.7,23.06 23.7,9.03 19.5,9.03 19.34,9.19 19.34,14.12 19.51,14.29 21.73,14.29 21.87,14.43 21.87,18.95 20.42,20.4 15.04,20.4 14.85,20.21 14.85,17.88 15.14,17.59 16.14,17.59 16.14,0.94 15.22,0.02 3.18,0.02 1.72,1.48 1.72,1.49 1.68,1.49 1.28,1.89 1.28,1.99 0.62,2.65 0.62,3.15 0.39,3.38 0.39,3.73 0.29,3.83 0.29,4.01 0.27,4.03 0.27,4.26 0.12,4.41 0.12,16.36 0.42,16.66 6.93,16.66 7.45,17.18 7.45,22.4 12.85,22.4 12.85,21.48 13.25,21.08 14.19,21.08 14.6,21.49 14.6,23.04 16.71,23.04 16.71,26.72 12,26.72 12,33.6 11.36,34.24 5.14,34.24 5.14,37.039 5.3,37.2 10.59,37.2 11.53,36.26 14.26,36.26 16.47,34.05 18.11,34.05 18.11,23.22 20.64,23.22 20.71,23.23 20.71,34.08 18.41,36.33 18.41,37.47 19.43,38.49 30.47,38.49 30.48,38.5 30.615,38.365 30.615,37.765 32.22,36.16 32.22,31.98
VBAT+ on Top Layer "VBAT+_L01_P000" (solid, pour order 0): 16.35,16.04 16.35,3.51 18.67,3.51 18.67,16.06 17.9,16.83 17.9,20.03 17.62,20.31 17.16,20.31 17.04,20.19 17.04,20.14 16.84,19.94 16.84,16.53
GND on Bottom Layer "GND_L02_P007" (solid, remove dead copper, pour order 7): 0.055,28.68 2.94,28.68 2.94,34.01 3.07,33.88 11.15,33.88 11.15,25.91 11.22,25.84 11.2,25.82 2.78,25.82 2.78,28.65 2.75,28.68 0.08,28.68 0.055,28.7 -0.09,4.75 0.19,4.47 0.19,3.54 0.57,3.16 0.57,2.73 1.04,2.26 1.1,2.26 1.52,1.84 1.52,1.69 2.23,0.98 2.53,0.98 2.59,0.92 2.69,0.92 2.93,0.68 3.05,0.68 3.41,0.32 4.3,0.32 4.71,-0.09 49.81,-0.09 49.94,0.04 50.85,0.04 51.13,0.32 51.92,0.32 52.51,0.91 52.8,0.91 52.8,1.09 53.56,1.85 53.8,1.85 53.8,2.18 54.52,2.9 54.52,3.22 54.77,3.47 54.77,4.25 55.08,4.56 55.08,49.46 54.89,49.65 54.89,51.08 54.51,51.46 54.51,52.22 53.74,52.99 53.74,53.18 53.52,53.18 52.32,54.38 52.32,54.42 51.78,54.42 51.22,54.98 3.59,54.98 3.22,54.61 2.79,54.61 1.47,53.29 1.38,53.29 0.63,52.54 0.63,51.52 0.19,51.08

## Keep-outs
Keep-Out Layer:
  circle w0.254: c49.75,49.75 r1.8
  circle w0.254: c49.75,5.25 r1.8
  circle w0.254: c5.25,5.25 r1.8
  circle w0.254: c5.25,49.75 r1.8
  circle w0.254: c12.25,12.25 r1.8
  circle w0.254: c12.25,42.75 r1.8
  circle w0.254: c42.75,12.25 r1.8
  circle w0.254: c42.75,42.75 r1.8
  lines w0.254: -0.01,-0.01 54.99,-0.01 54.99,54.99 -0.01,54.99 -0.01,-0.01 ; 0,5.4 ccw(c5.4,5.4) 5.4,0 12.25,0 42.75,0 49.6,0 ccw(c49.6,5.4) 55,5.4 55,12.25 55,42.75 55,49.6 ccw(c49.6,49.6) 49.6,55 42.75,55 12.25,55 5.4,55 ccw(c5.4,49.6) 0,49.6 0,42.75 0,12.25 0,5.4

## Other copper
Top Layer:
  region: 152 vertices and 0 holes, not listed, extent 162.563,81.889 167.611,89.55
  region: 1073 vertices and 0 holes, not listed, extent 154.758,62.365 176.072,98.572
  text "XEROX UAV Flight Controller 2nd Prototype" at 84.284,74.432 h1.52
  text "Desinged by mamad" at 84.284,70.683 h1.52
  text "Main MCU : STM32F407VGT6" at 84.284,67.443 h1.52
  text "IMU MODELES : CMPS12 & GY25" at 84.284,64.202 h1.52
  text "Wi-Fi module : ESP8266-01" at 84.284,60.961 h1.52
  text "can communicate to Jetson orin nano via UART" at 84.284,57.72 h1.52
  text "recieve data From Electronic Speed Controller (ESC) via UART" at 84.284,53.972 h1.52
  text "Quadcopter specs:" at 84.284,41.652 h1.52
  text "Motors : Tmotor F60 pro V 2020kv" at 84.284,37.593 h1.52
  text "ESC : Tmotor P60A V2" at 84.284,34.043 h1.52
  text "Frame : custome made carbon fiber by XEROX uav" at 84.284,29.984 h1.52
  text "Propellers : 5147-3 or  7\" Tmotor 3blades '(ine)'" at 84.284,25.672 h1.52
  text "Battery : Tattu 6s 3300 mAh 40C or Tattu 6s 1400mAh 120C" at 84.284,21.613 h1.52
  text "Estimate weight :  1Kg - 1.2Kg" at 84.284,17.555 h1.52
  text "Estimate stable current : 12A" at 84.284,14.004 h1.52

## Silkscreen, mask and mechanical layers (free items; w line width, h text height)
Top Overlay:
  drawing of 14 lines, arcs and shapes, not listed
  text "3V3" at 45.737,25.924 h0.76
  text "GND" at 45.601,24.704 h0.76
  text "CH1" at 45.779,23.485 h0.76
  text "CH2" at 45.688,22.265 h0.76
  text "NRST" at 42.38,19.63 h1.14
  text "GND" at 25.937,11.259 h0.76
  text "Jetson Rx" at 24.197,10.188 h0.76
  text "Jetson Tx" at 24.187,9.117 h0.76
  text "3V3 checkpoint" at 26.927,3.971 h0.76
Bottom Overlay:
  drawing of 57 lines, arcs and shapes, not listed
  text "GND" at 9.103,47.133 h0.76 r90
  text "N.C" at 10.36,47.133 h0.76 r90
  text "M1" at 11.618,47.133 h0.76 r90
  text "M2" at 12.875,47.133 h0.76 r90
  text "M3" at 14.133,47.133 h0.76 r90
  text "M4" at 15.39,47.133 h0.76 r90
  text "CR" at 16.647,47.133 h0.76 r90
  text "Tx" at 17.905,47.133 h0.76 r90
  text "VCC" at 21.258,40.037 h0.76
  text "SDA|Tx" at 22.796,38.501 h0.76
  text "XEROX" at 11.88,37.28 h1.14
  text "SCL|Rx" at 22.731,36.747 h0.76
  text "UAV" at 11.88,35.565 h1.14
  text "Mode" at 21.937,34.775 h0.76
  text "Flight" at 11.88,33.779 h1.14
  text "N.C" at 20.867,33.021 h0.76
  text "Controller" at 11.88,31.754 h1.14
  text "GND" at 21.461,31.267 h0.76
  text "2ND" at 11.88,29.959 h1.14
  text "Prototype" at 11.88,27.942 h1.14
  text "Rx" at 38.662,24.573 h1.14
  text "3V3" at 43.039,24.49 h1.14
  text "GND" at 39.905,16.551 h1.14
  text "Tx" at 43.039,16.561 h1.14
  text "3V3" at 36.753,12.653 h0.76 r90
  text "Rx" at 36.743,9.703 h0.76 r90
  text "Tx" at 36.723,7.143 h0.76 r90
  text "GND" at 35.991,2.807 h0.76 r270
Top Solder:
  drawing of 18 lines, arcs and shapes, not listed
Dimensions:
  lines w0.254: 5.25,5.25 27.5,5.25 ; 5.25,5.25 5.25,27.5 ; 5.25,5.25 12.25,5.25 12.25,12.25 ; 5.25,5.25 5.25,12.25 12.25,12.25 ; 5.25,27.5 27.5,27.5 ; 5.25,27.5 5.25,49.75 ; 5.25,27.5 27.5,27.5 ; 5.25,49.75 27.5,49.75 ; 5.25,49.75 5.25,42.75 12.25,42.75 ; 5.25,49.75 12.25,49.75 12.25,42.75 ; 12.25,12.25 27.5,12.25 ; 12.25,12.25 12.25,27.5 ; 12.25,27.5 27.5,27.5 ; 12.25,27.5 12.25,42.75 ; 12.25,27.5 27.5,27.5 ; 12.25,42.75 27.5,42.75 ; 27.5,5.25 27.5,27.5 ; 27.5,5.25 27.5,27.5 ; 27.5,5.25 49.75,5.25 ; 27.5,12.25 27.5,27.5 ; 27.5,12.25 42.75,12.25 ; 27.5,12.25 27.5,27.5 ; 27.5,27.5 27.5,49.75 ; 27.5,27.5 42.75,27.5 ; 27.5,27.5 42.75,27.5 ; 27.5,27.5 27.5,42.75 ; 27.5,27.5 27.5,42.75 ; 27.5,27.5 49.75,27.5 ; 27.5,27.5 49.75,27.5 ; 27.5,27.5 27.5,49.75 ; 27.5,42.75 42.75,42.75 ; 27.5,49.75 49.75,49.75 ; 42.75,12.25 42.75,27.5 ; 42.75,12.25 49.75,12.25 49.75,5.25 ; 42.75,12.25 42.75,5.25 49.75,5.25 ; 42.75,27.5 42.75,42.75 ; 42.75,42.75 49.75,42.75 49.75,49.75 ; 42.75,42.75 42.75,49.75 49.75,49.75 ; 49.75,5.25 49.75,27.5 ; 49.75,27.5 49.75,49.75 ; 0,5.4 ccw(c5.4,5.4) 5.4,0 49.6,0 ccw(c49.6,5.4) 55,5.4 55,49.6 ccw(c49.6,49.6) 49.6,55 5.4,55 ccw(c5.4,49.6) 0,49.6 0,5.4
assembly:
  text "Inner Screws are necessary to fix fly controller on its specific place" at 6.114,110.872 h1.52
  text "outer screws are highly recommended to reduce chance of damaging flight controller on fallings and extreme situations" at 6.114,106.502 h1.52
  text "due to high noise this board need to have a cover on top of it" at 5.944,99.052 h1.52
  text "to prevent any noise from quadcopter propellers wind" at 5.944,94.932 h1.52
  text "ESP8266-01 antenna needs to be as close as possible to edge of the board" at 6.114,86.322 h1.52
  text "but any over extension can make distrubance" at 6.114,82.432 h1.52
  text "All screws wholes are same size" at 6.114,76.474 h1.52

## Dimensions
48.3,59.104 to 51.2,59.164 on Dimensions
61.88,51.2 to 61.76,48.3 on Dimensions
70.36,12.25 to 70.02,5.25 on Dimensions
70.36,49.75 to 70.02,42.75 on Dimensions
77.58,49.75 to 77.08,5.25 on Dimensions
72.57,42.75 to 72.55,12.25 on Dimensions
12.25,62.989 to 5.25,62.859 on Dimensions
42.725,63.863 to 49.725,63.553 on Dimensions
12.25,68.62 to 42.75,68.22 on Dimensions
49.75,73.24 to 5.25,73.15 on Dimensions